# Altium PCB IMX6 DEV BOARD.PcbDoc (part 3 of 12) (continued)
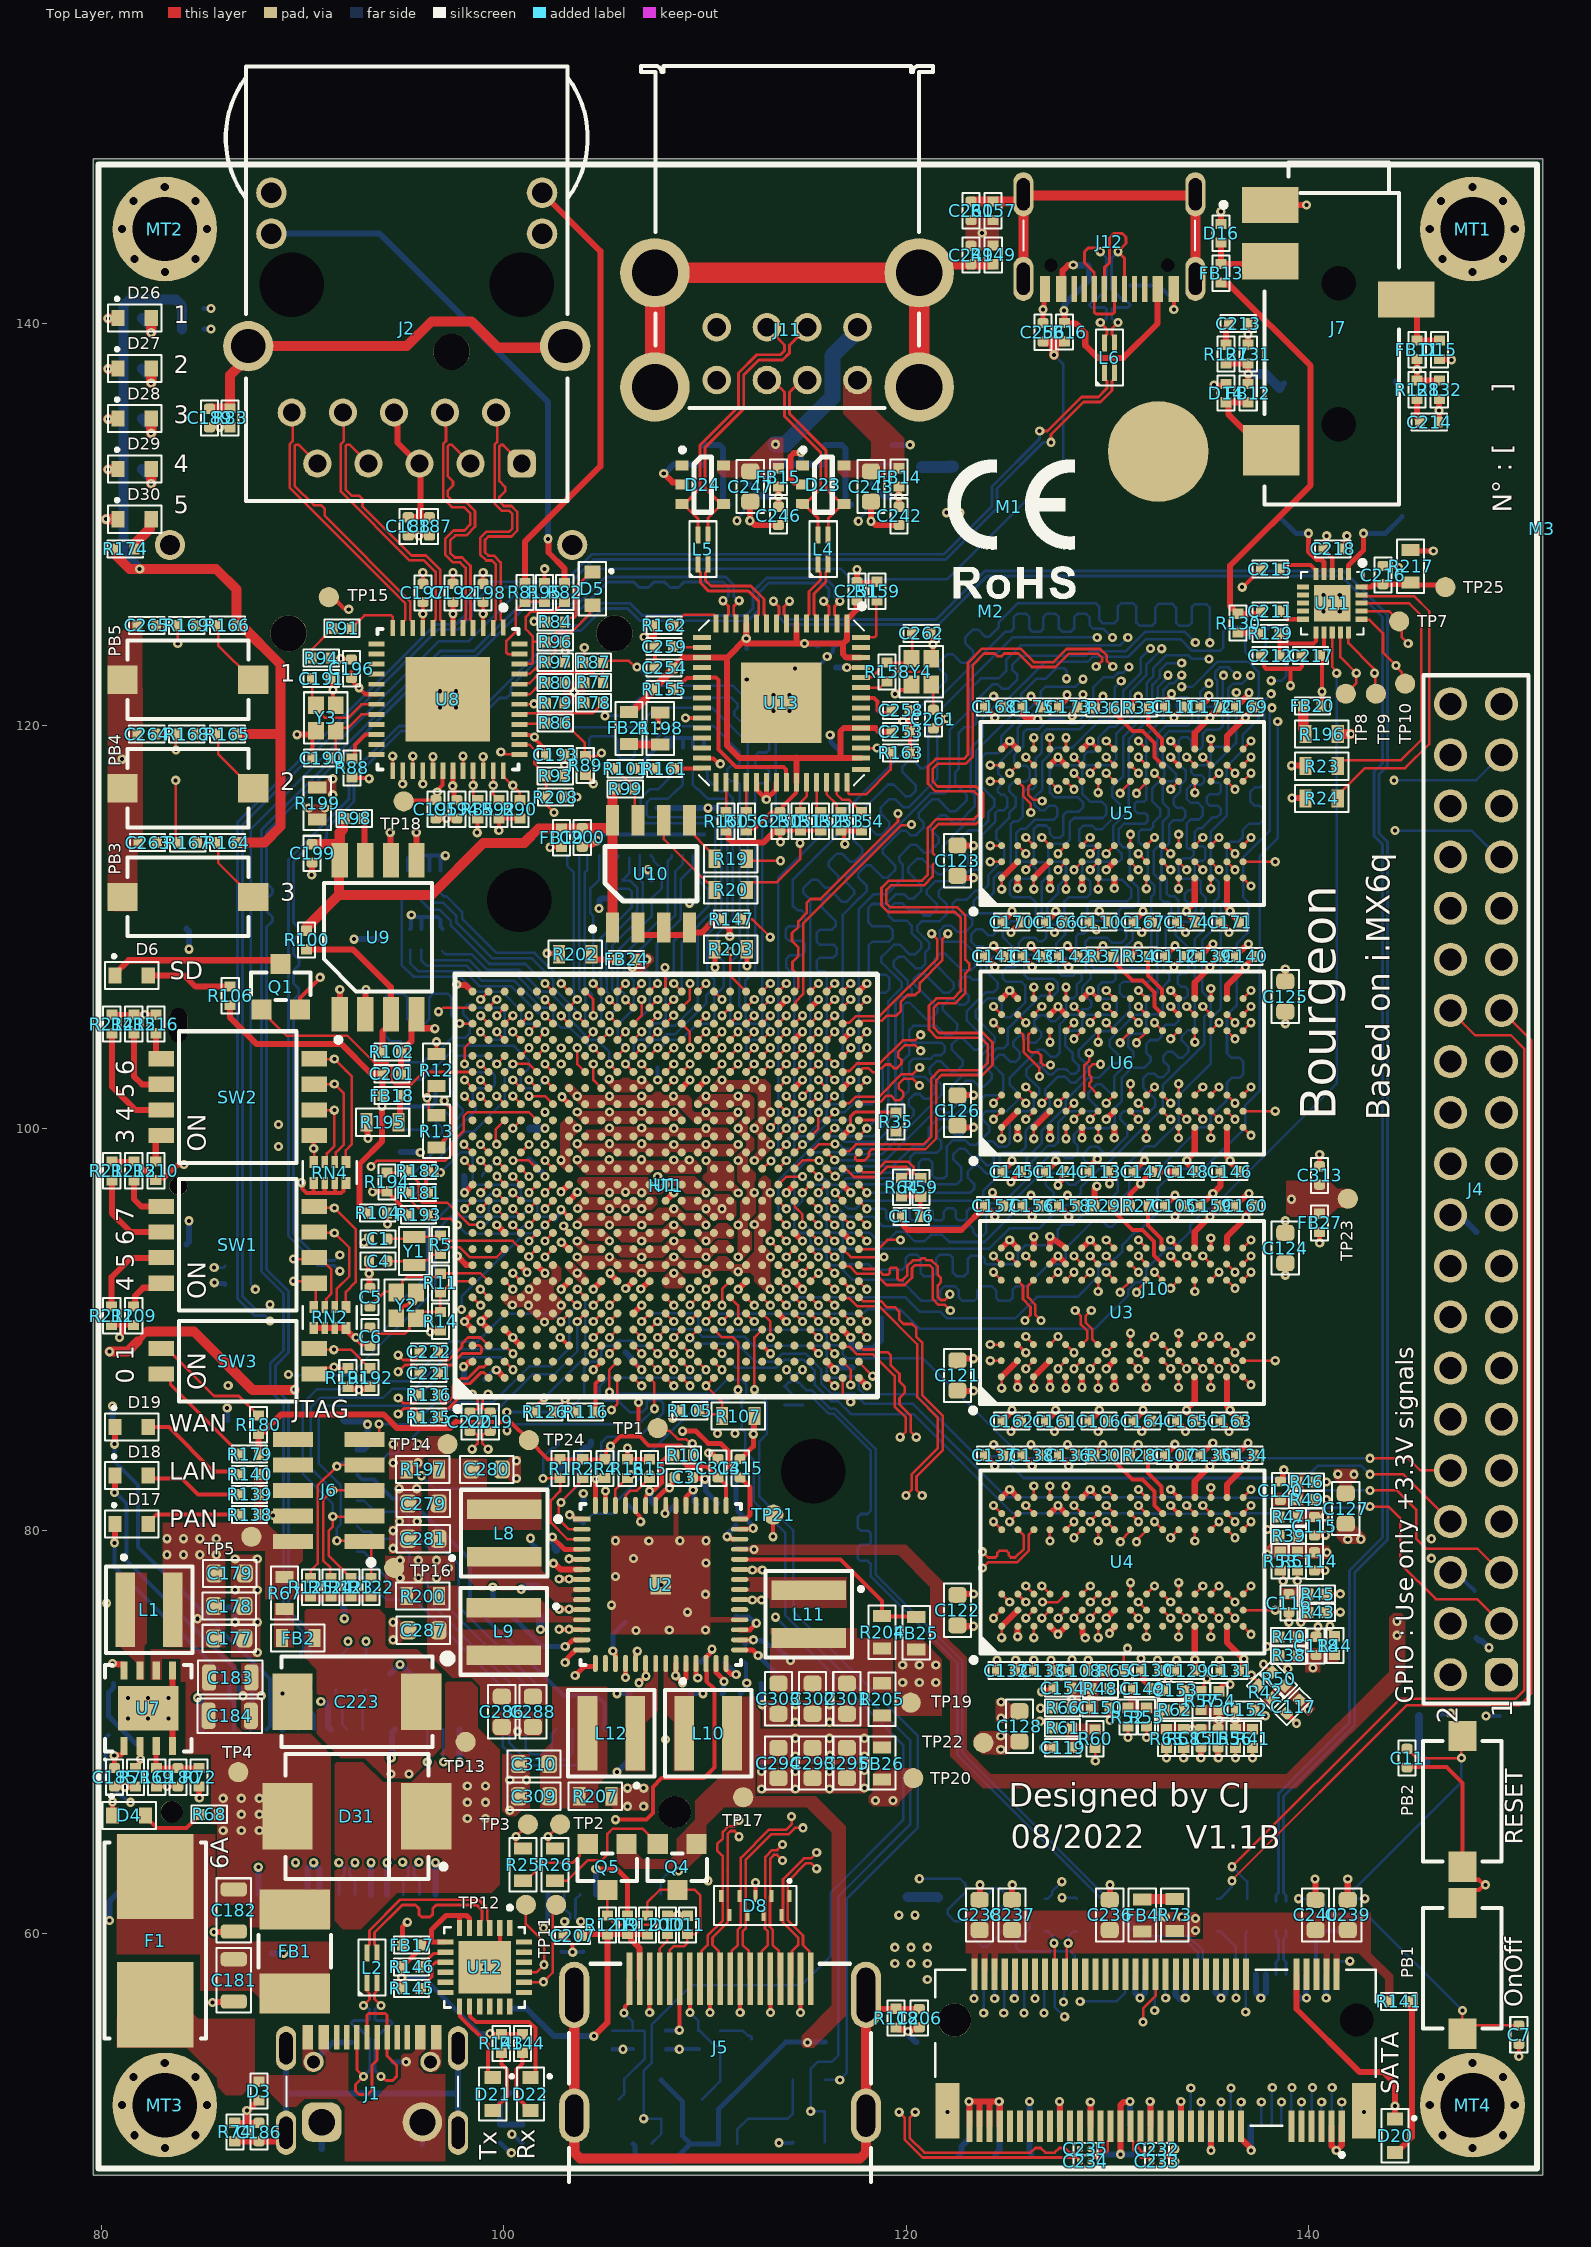
[diagram p0: Top Layer view]
## Nets (pads, with @x,y where several pads share a name; then routed paths per layer and width w, separated by ;. In a path a pad name is that pad's centre, name@x,y a point inside that pad or via, vN(x,y) a via of type N, cw(c..) or ccw(c..) an arc to the next point about the centre after c; other vN are vias at no path point) (continued)
  other v1: 119.825,72.45 120.65,72.45 121.475,72.45 119.825,73.325 120.65,73.325 121.475,73.325 111.65,93.6 111.65,95.2 136.891,95.559 112.45,96.8 111.65,98.4 111.65,100 110.05,101.6 111.65,101.6
+1.5V_PCIe: C229.1 C230.1 C231.1 FB26.2 J8.6 J8.28 J8.48 TP20.1
  other v1: 118.469,66.586 119.344,66.586
+1.8V_AUDIO: C216.2 R217.2 TP25.1 U11.20 | length 4.4
  Top Layer w0.25: U11.20@142.628,126.904 143.104,126.904 143.229,127.029 143.686,127.029 C216.2@143.7,127.043 144.978,127.043 R217.2@145.071,127.136 145.207,127 146.7,127 TP25.1@146.8,126.9
+1.375_VDD_ARM: C12.1 C13.1 C14.1 C15.1 C16.1 C17.1 C18.1 C24.1 C25.1 C26.1 C27.1 C28.1 C29.1 C30.1 C31.1 R197.2 TP14.1 U1.H14 U1.J14 U1.K9 U1.K14 U1.L9 U1.L14 U1.M9 U1.M14 U1.N9 U1.N14 U1.P9 U1.P14 U1.R9 U1.R14 U1.T9 U1.U9 U2.6 | length 1.5
  Top Layer w0.3: v1(102.462,78.379) 102.505,78.379 102.809,78.075 U2.6@103.874,78.075
  other v1: 94.5,83.373 95.729,83.373 94.5,84.3 95.729,84.3 106.85,93.6 110.05,93.6 108.45,94.4 108.45,98.426 109.222,98.423 103.65,98.444 105.241,98.444 106.849,98.444
+1.375_VDD_SOC_IN: C37.1 C38.1 C39.1 C40.1 C41.1 C42.1 C43.1 C44.1 C51.1 C52.1 C53.1 R200.2 TP16.1 U1.H16 U1.J16 U1.K16 U1.L16 U1.M16 U1.N16 U1.P16 U1.R16 U1.T16 U1.U16 U2.13 | length 9.4
  Top Layer w0.25: v1(103.05,74.25) 103.107,74.25 103.428,74.571 103.871,74.571 U2.13@103.874,74.575
  Inner 2 w0.25: v1(97.25,78.15) 98.2,77.2 v1(99.45,77.2)
  Bottom Layer w0.25: v1(99.45,77.2) 99.453,77.197 99.453,76.704 101.907,74.25 v1(103.05,74.25)
  Bottom Layer w0.4: C51.1@101.3,100 v1(102.05,100)
  other v1: 94.85,77.65 95.75,77.65 96.65,77.65 94.85,78.525 95.75,78.525 96.65,78.525 108.45,100 110.05,100 105.254,100.022 106.85,100.022 102.85,103.194
+1.375V_A: C279.1 C280.1 C281.1 L8.2 R197.1
+1.375V_S: C286.1 C287.1 C288.1 L9.2 R200.1
+2.5V_TRANS: C98.1 C99.1 C195.1 C196.1 C197.1 C198.1 R77.2 R78.2 R79.2 R80.2 R85.2 R203.2 R208.2 TP18.1 U1.G18 U1.R19 U8.3 U8.9 U8.18 U8.30 | length 11
  Top Layer w0.2: 92.425,122.686 92.44,122.671 92.44,122.249 93.113,121.576 U8.18@93.674,121.576 ; TP18.1@95.025,116.25 95.06,116.285 96.59,116.285 C195.1@96.625,116.32 96.658,116.354 96.658,116.69 v1(96.692,116.723) 96.692,116.793 96.955,117.057 96.955,117.755 U8.30@96.975,117.775 ; U8.9@95.975,124.876 v1(95.975,125.575) C197.1@95.975,126.155 ; v1(98.677,114.698) 98.692,114.712 98.692,115.387 R85.2@98.706,115.401 ; U8.3@98.975,124.876 v1(98.975,125.575) C198.1@98.975,126.155 ; R208.2@103.026,116.463 103.03,116.467 103.626,116.467 v1(103.63,116.47)
  Top Layer w0.25: v1(110.5,108) R203.2@110.5,108.9
  Top Layer w0.3: v1(102.893,101.565) 102.893,101.558 103.244,101.207 U1.G18@103.244,101.2 ; U1.R19@109.644,102 109.647,102 110.047,102.4 v1(110.05,102.4)
  other v1: 103.5,121.675 92.8,121.9
+2.8V_VDD_HIGH: C79.1 C80.1 D1.A R206.2 TP21.1 U1.H9 U1.J9 | length 1.1
  Top Layer w0.2: v1(113.375,79.7) 113.375,80.775 TP21.1@113.418,80.818
  other v1: 110.619,84.828 111.494,84.828 103.65,94.4
+3.0V_VSNVS: C100.1 C314.1 D1.K R1.2 R2.2 R4.2 R179.2 R180.2 R181.2 R182.2 TP24.1 U1.G11 U2.43 | length 43.6
  Top Layer w0.2: R181.2@96.125,96.8 96.125,97.9 96.175,97.85 96.8,97.85 v1(96.85,97.8) ; 97.635,85.415 100.335,85.415 TP24.1@101.25,84.5 102.2,83.55 R1.2@102.8,83.55 R4.2@105.033,83.55 105.087,83.603 105.087,83.987 v1(105.3,84.2) 105.795,84.695 106.69,84.695 ; v1(102.839,95.953) 102.865,95.953 103.218,95.6 U1.G11@103.244,95.6 ; v1(106.69,86.371) 106.69,84.695 ; U2.43@111.05,81.251 111.05,82.27 110.67,82.65 C314.1@110.65,82.65 110.629,82.65 110.085,83.194 109.11,83.194 108.946,83.358 108.946,84.091 108.794,84.242 107.202,84.242 106.75,84.695 106.69,84.695
  Top Layer w0.3: R179.2@87.813,83.862 87.813,84.787 R180.2@87.8,84.8 87.904,84.904 88.052,84.904 88.928,85.78 94.02,85.78 94.7,85.1 97.321,85.1 97.635,85.415
  Bottom Layer w0.125: v1(96.85,97.8) 97.861,98.811 98.194,98.811 98.448,98.557 98.448,97.352 98.607,97.193 100.613,97.193 100.85,96.955 100.85,96.645 101.087,96.407 101.414,96.407 101.65,96.171 101.65,95.798 101.848,95.6 102.388,95.6 102.538,95.45 C100.1@102.542,95.45
  Bottom Layer w0.2: C100.1@102.542,95.45 C100.1@102.545,95.45 102.595,95.5 102.595,95.568 102.789,95.762 102.789,95.904 v1(102.839,95.953) ; v1(105.3,84.2) 105.3,84.13 105.446,83.984 D1.K@105.446,82.975
+3.3V: C276.1 C289.1 C293.1 C294.1 C295.1 D7.A FB17.1 FB19.1 FB22.1 FB23.1 L10.2 Q2.G Q3.G Q4.G Q5.G R3.2 R15.2 R16.2 R105.2 R111.2 R112.2 R183.2 R184.2 R185.2 R186.2 R187.2 R188.2 R189.2 R190.2 R195.2 R196.1 R198.2 R202.1 R209.2 R210.2 R211.2 R212.2 R213.2 R214.2 R215.2 R216.2 TP17.1 U2.17 U2.25 U2.27 | length 54.5
  Top Layer w0.25: R211.2@80.507,90.225 80.657,90.225 81,90.225 ; R212.2@80.516,98.349 R213.2@81.612,98.349 81.741,98.22 81.825,98.22 82.49,97.554 82.571,97.554 R210.2@82.7,97.425 82.817,97.542 83.142,97.542 83.772,98.172 84.072,98.172 v1(84.1,98.2) ; R214.2@80.516,105.646 R215.2@81.612,105.646 81.619,105.653 82.142,105.653 v1(82.149,105.66) ; v1(80.9,89.6) 80.9,89.657 81,89.757 81,90.225 ; R209.2@81.603,90.225 81,90.225 ; v1@82.163,105.646 82.17,105.653 82.693,105.653 R216.2@82.7,105.646 ; FB17.1@94.955,59.4 94.955,60.305 v1@95.25,60.6 ; v1(102.15,108.7) 102.7,108.7 R202.1@102.75,108.65 ; v1(102.294,113.967) 102.304,113.976 102.866,113.976 FB19.1@102.875,113.986 ; v1(105.419,74.019) 105.419,73.963 105.546,73.836 105.546,73.403 U2.17@105.55,73.399 ; v1(106.15,84.1) 106.146,84.096 106.146,83.554 106.15,83.55 R15.2@107.25,83.55 ; v1(107.675,120.025) 107.675,120.575 R198.2@107.775,120.675 ; v1(108.399,85.594) 108.436,85.594 108.787,85.946 R105.2@108.787,85.967 ; U2.25@109.55,73.399 109.554,73.396 109.554,72.82 109.64,72.734 v1(109.64,72.677) ; U2.27@110.55,73.399 110.554,73.396 110.554,72.953 110.95,72.557 v1(110.95,72.5)
  Top Layer w0.3: R195.2@93.175,100.3 93.219,100.256 93.219,99.531 v1(93.25,99.5)
  Top Layer w0.5: R196.1@141.45,119.6 v1(142.1,119.6)
  Inner 5 w0.5: v1(84.1,98.2) 84.105,98.195 88.84,98.195 90.277,99.632 93.118,99.632 v1(93.25,99.5)
  Bottom Layer w0.25: FB22.1@85.099,139.734 v1(85.442,139.734) ; v1(105.419,74.019) 105.419,74.833 106.029,75.443 C276.1@106.05,75.443 ; R112.2@106.425,49.525 106.517,49.433 106.517,49.058 106.925,48.65 108.4,48.65 109.275,49.525 ; Q3.G@107.825,52.686 108.875,51.636 108.875,49.925 109.275,49.525 ; C289.1@110.843,71.875 110.91,71.942 110.91,72.46 v1(110.95,72.5) ; D7.A@116,54.575 114.014,54.575 Q2.G@112.125,52.686 110.675,51.236 R111.2@110.675,49.525 109.275,49.525 ; FB23.1@146.407,70.8 146.488,70.881 147.023,70.881 v1(147.063,70.921)
  Bottom Layer w0.3: R3.2@103.95,81.3 v1(103.95,81.85) ; v1(104.731,110.931) 104.761,110.962 104.761,111.336 R186.2@104.85,111.425 R184.2@105.9,111.425 ; v1(107.162,112.854) 107.193,112.823 107.193,112.532 107.225,112.5 107.225,112.479 107.329,112.375 R190.2@107.35,112.375 ; R183.2@107.65,115.925 R188.2@108.65,115.925 R185.2@109.65,115.925 R189.2@110.65,115.925 ; v1(109.233,111.194) 109.263,111.224 109.428,111.224 109.629,111.425 R187.2@109.65,111.425
  other v1: 115.094,54.567 95.204,60.541 114.492,68.806 117.917,68.806 116.202,68.833 114.492,69.681 116.192,69.681 117.917,69.681 110.147,115.911
+3.3V_3.3V_EN: R71.2 R201.2 TP6.1 U7.2 | length 5.7
  Top Layer w0.25: R71.2@81.724,68.307 81.824,68.307 81.853,68.336 81.853,68.436 81.903,68.486 81.903,68.606 v1(81.944,68.646) 81.934,68.655 81.934,69.286 U7.2@81.925,69.295
  Bottom Layer w0.25: TP6.1@80.6,72.4 80.6,72.197 80.35,71.947 R201.2@80.35,70.775 80.371,70.775 80.5,70.646 80.5,70.625 81.903,69.222 81.903,68.686 v1(81.944,68.646)
+3.3V_AUDIO: C217.2 C218.2 FB20.2 U11.3 U11.12 | length 5.9
  Top Layer w0.2: C217.2@140.557,123.5 C217.2@140.667,123.5 ; FB20.2@140.65,121 140.667,121 140.667,121.707 C217.2@140.667,123.5 ; U11.12@140.778,124.654 140.778,123.756 140.667,123.645 C217.2@140.667,123.5 ; v1(140.9,129.45) 140.9,129.38 140.8,129.28 140.8,128.722 141.178,128.344 U11.3@141.178,127.554
  other v1: 140.669,121.701
+3.3V_CARD: C177.1 C178.1 C179.1 C180.1 J6.2 L1.2 R67.1 R69.2 R70.1 R73.1 R122.2 R123.2 R124.2 R125.2 R138.1 R139.1 R140.1 TP5.1 | length 9.8
  Top Layer w0.2: R69.2@82.856,67.281 82.857,67.282 83.26,67.282 v1(83.262,67.281) 83.266,67.285 83.685,67.285 C180.1@83.689,67.281
  Inner 2 w0.2: v1(83.262,67.281) 83.25,67.293 83.25,68.7 84.05,69.5 84.05,74.896 v1(84.777,75.623)
  other v1: 134.375,60.125 134.375,60.725 132.891,60.805 133.699,60.805 119.636,60.89 120.444,60.89 83.261,78.805 84.076,78.805 84.892,78.805 85.707,78.805 83.261,79.605 84.076,79.605 84.892,79.605 85.707,79.605
+3.3V_CdE: C272.1 FB3.2 J10.39A J10.41A
+3.3V_DEBUG: FB17.2 R143.2 R144.2 R145.2 R146.2 U12.5 U12.6 U12.7 | length 15
  Top Layer w0.2: v1(99.325,55) 99.338,54.988 99.862,54.988 R143.2@99.875,54.975 R144.2@100.925,54.975
  Top Layer w0.25: R145.2@94.95,57.25 94.925,57.275 94.925,57.813 94.925,58.3 95.966,59.341 95.966,59.518 95.998,59.55 96.4,59.55 ; U12.7@97.1,59.55 96.4,59.55 ; U12.6@97.8,60.25 97.802,60.252 97.802,60.875 ; U12.5@98.3,60.25 98.295,60.255 98.295,60.729 98.149,60.875 97.802,60.875 ; 96.4,59.55 96.4,60.149 97.126,60.875 97.802,60.875
  Bottom Layer w0.25: v1(94.925,57.8) 96,57.8 98.8,55 v1(99.325,55)
+3.3V_FB: C180.2 R69.1 R72.2 U7.3 | length 3.2
  Top Layer w0.25: U7.3@82.725,69.295 82.716,69.286 82.716,68.338 82.754,68.3 R69.1@82.775,68.3 ; R69.1@82.743,68.209 82.752,68.2 83.794,68.2 C180.2@83.797,68.203 83.799,68.2 84.843,68.2 R72.2@84.85,68.207
+3.3V_flash_EEPROM: C199.1 C200.1 FB19.2 R98.2 R99.2 R100.2 U9.8 U10.1 U10.8 | length 30.1
  Top Layer w0.5: R100.2@90.2,109.825 90.221,109.825 90.225,109.829 90.225,110.025 91.8,111.6 91.8,113.28 U9.8@91.845,113.325 ; C199.1@90.475,114.125 91.595,114.125 U9.8@91.845,113.875 ; 91.825,111.6 96.4,111.6 98.993,114.193 101.018,114.193 101.725,114.9 FB19.2@102.875,114.9 102.882,114.907 103.893,114.907 C200.1@103.9,114.914 105.279,114.914 105.41,115.045 U10.8@105.41,115.366 ; U9.8@91.845,113.45 U9.8@91.845,113.875 ; R98.2@92.1,115.4 91.996,115.296 91.996,114.846 91.845,114.695 U9.8@91.845,113.875 ; U10.1@105.41,109.9 U10.8@105.41,115.366 ; R99.2@105.575,116.875 105.421,116.721 105.421,116.594 105.41,116.583 U10.8@105.41,115.366
+3.3V_GPIO: F2.2 FB23.2 | length 2.4
  Bottom Layer w0.4: FB23.2@145.493,70.8 145.493,68.857 F2.2@145.85,68.5
+3.3V_IMX6_IO: C81.1 C82.1 C83.1 C84.1 C85.1 C93.1 C94.1 C95.1 C96.1 C97.1 FB24.2 U1.G14 U1.G15 U1.G16 U1.G17 U1.J7 U1.K19 U1.L19 U1.M19 U1.N7 U1.P7 U1.P19 | length 1.1
  Top Layer w0.3: v1(104.45,92) 104.45,92.003 104.844,92.397 U1.J7@104.844,92.4 ; U1.P19@108.844,102 108.847,102 109.247,102.4 v1(109.25,102.4)
  other v1: 108.45,92.8 102.843,98.419 103.65,100.022 106.85,102.4 105.24,102.441 106.386,107.992 107.102,108.398
+3.3V_LED: C266.1 FB22.2 R164.2 R165.2 R166.2 R170.2 R171.2 R172.2 R173.2 R174.2 | length 42
  Top Layer w0.5: R174.2@80.725,128.8 80.729,128.796 80.729,128.471 81.4,127.8 v1(81.9,127.8) 85.7,127.8 86.721,126.779 86.721,125.004 R166.2@86.725,125 ; R164.2@86.725,114.2 88.1,114.2 88.9,115 88.9,119.6 ; R165.2@86.725,119.6 88.9,119.6 ; R166.2@86.977,124.975 88.9,123.052 88.9,119.6
  Bottom Layer w0.5: v1(81.9,127.8) 81.1,128.6 R173.2@81.1,132.775 R172.2@81.1,135.275 R171.2@81.1,137.775 R170.2@81.1,140.275 81.1,140.907 81.393,141.2 83.696,141.2 83.989,140.907 83.989,140.758 83.997,140.75 83.997,140.645 84,140.642 84,139.753 83.997,139.75 FB22.2@83.997,139.7
+3.3V_M2_SATA: C236.1 C237.1 C238.1 C239.1 C240.1 FB4.2 J10.2 J10.4 J10.70 J10.72 J10.74 R141.2
+3.3V_PCIe: C223.1 C225.1 C226.1 C227.1 C228.1 FB2.2 J8.2 J8.24 J8.39 J8.41 J8.52
  other v1: 94.389,67.91 95.289,67.91
+3.3V_SD: C201.1 FB18.2 J3.4 R103.2 R104.2 R106.2 | length 19.7
  Top Layer w0.2: FB18.2@93.893,101.7 93.968,101.625 93.959,101.616 93.959,101.109 v1(93.95,101.1)
  Top Layer w0.3: R106.2@86.4,106.125 86.4,106.021 86.4,105.5 87.7,104.2 91.918,104.2 93.399,102.719 93.977,102.719 FB18.2@93.977,101.689 ; R104.2@93.275,95.721 92.825,96.171 92.825,98.225 93.95,99.35 v1(93.95,101.1)
  Bottom Layer w0.2: J3.4@94.875,101.025 94.937,101.088 96.408,101.088 96.614,101.294 96.614,102.111 R103.2@96.6,102.125
+3.3V_to_PMIC: C2.1 U2.55 | length 1.4
  Top Layer w0.25: U2.55@105.05,81.251 105.054,81.254 105.054,81.967 v1(105.058,81.971)
  Bottom Layer w0.25: C2.1@105.05,81.307 105.054,81.311 105.054,81.967 v1(105.058,81.971)
+3.3V_USB_HUB: C250.1 C251.1 C252.1 C253.1 C254.1 C255.1 FB21.2 R155.2 R156.2 U13.1 U13.6 U13.11 U13.17 U13.37 U13.44 U13.47 U13.54 | length 40
  Top Layer w0.2: R156.2@112.05,114.801 112.162,114.913 112.491,114.913 113.272,115.694 113.699,115.694 C250.1@113.725,115.72 113.731,115.72 113.883,115.872 113.883,116.033 114.525,116.675 114.525,117.175 U13.37@114.55,117.2
  Top Layer w0.3: C254.1@108.42,122.882 108.42,122.903 108.918,123.4 U13.17@109.85,123.4 111.1,123.4 ; U13.11@112.05,125.1 v1(112.05,124.35) ; U13.37@114.55,117.2 114.55,118.4 ; 114.55,118.424 114.55,118.4 ; U13.6@114.55,125.1 114.55,124.1 ; C251.1@117.5,126.3 117.531,126.268 117.531,125.77 117.161,125.4 117.075,125.4 117.05,125.375 U13.1@117.05,125.1 117.05,124.276 116.874,124.1 ; U13.44@117.75,118.4 116.725,118.4 ; U13.54@117.75,123.4 117.026,123.4 116.85,123.576 116.85,124.076 116.874,124.1 ; C253.1@119.23,119.585 119.23,119.606 119.126,119.71 118.665,119.71 118.475,119.9 U13.47@117.75,119.9 116.901,119.9 116.725,119.724 116.725,118.4 ; 111.1,123.4 v1(112.05,124.35) ; 111.1,123.4 111.1,119.025 111.725,118.4 114.55,118.4 ; v1(112.05,124.35) 112.05,124.1 114.55,124.1 ; 114.55,118.4 116.725,118.4 ; 114.55,124.1 v1(114.95,124.1) 116.874,124.1
  Top Layer w0.4: FB21.2@106.225,120.7 106.375,120.7 107.425,121.75 107.447,121.75 107.501,121.804 R155.2@107.501,121.825 107.555,121.879 107.555,121.968 108.366,122.779 108.366,122.828 C254.1@108.42,122.882
  Bottom Layer w0.2: v1(112.05,124.35) 112.063,124.337 112.063,123.845 C255.1@112.075,123.832
  Bottom Layer w0.3: v1(114.95,124.1) 114.981,124.069 115.523,124.069 C252.1@115.593,124
+4.4V: C3.1 C273.1 C274.1 C277.1 C278.1 C282.1 C284.1 C285.1 C291.1 C292.1 C297.1 C298.1 C299.1 C305.1 C308.1 D31.K TP13.1 U2.7 U2.10 U2.12 U2.20 U2.23 U2.24 U2.34 U2.37 U2.40 U2.50 | length 12.4
  Top Layer w0.25: v1(102.75,75.1) v1(103.25,75.1) 103.271,75.079 103.871,75.079 U2.12@103.874,75.075 ; v1(102.75,76.1) v1(103.25,76.1) 103.271,76.079 103.871,76.079 U2.10@103.874,76.075 ; v1(102.75,77.595) v1(103.25,77.595) ; v1@103.25,77.6 103.271,77.579 103.871,77.579 U2.7@103.874,77.575 ; v1(106.724,72.44) 106.733,72.44 107.061,72.768 v1(107.07,72.768) 107.054,72.784 107.054,73.396 U2.20@107.05,73.399 ; U2.50@107.554,81.556 108.026,82.028 108.077,82.028 108.182,82.133 v1(108.239,82.133) ; v1@108.225,82.162 108.225,82.176 108.365,82.316 108.365,82.522 C3.1@108.493,82.65 ; U2.23@108.55,73.399 108.546,73.396 108.546,72.796 v1(108.542,72.791) 108.542,72.774 v1(108.876,72.44) 108.876,72.497 109.046,72.666 109.046,73.396 U2.24@109.05,73.399 ; v1(111.101,79.703) 111.158,79.703 111.282,79.579 U2.40@111.42,79.579 ; U2.34@111.726,76.575 112.725,76.575 v1@112.75,76.55 ; U2.37@111.726,78.075 111.729,78.071 112.329,78.071 v1(112.35,78.05) v1(112.85,78.05)
  Bottom Layer w0.25: v1(111.101,79.703) 111.142,79.743 111.142,79.86 111.547,80.266 C298.1@111.547,80.288
  Bottom Layer w0.4: C277.1@101.6,75.9 101.612,75.9 101.812,75.7 101.812,75.101 v1(101.824,75.09)
  other v1: 98.189,65.689 99.089,65.689 98.189,66.5 99.089,66.5 98.189,67.31 99.089,67.31 112.35,76.55 112.81,76.55
+5V: C182.1 C183.1 C184.1 C185.1 D31.A FB1.2 FB6.1 FB8.1 FB9.1 FB10.1 R68.2 R75.1 R76.1 TP4.1 U7.1 U7.6 | length 3.6
  Top Layer w0.25: C185.1@80.65,68.307 80.643,68.314 80.643,68.808 v1(80.637,68.815) 80.677,68.855 80.96,68.855 81.125,69.02 U7.1@81.125,69.295
  Bottom Layer w0.25: v1(85.609,92.326) 85.65,92.286 86.107,92.286 FB10.1@86.15,92.243 ; FB6.1@99.8,49.575 99.821,49.575 100.321,49.075 v1(100.375,49.075) ; v1(116.225,119.55) 116.265,119.51 116.265,119.191 116.611,118.846 FB9.1@116.611,118.825
  other v1: 121.053,57.69 119.436,58.49 120.244,58.49 121.053,58.49 119.436,59.29 120.244,59.29 121.053,59.29 86.05,65.1 86.95,65.1 87.85,65.1 86.95,65.9 87.85,65.9 86.05,66.7 86.95,66.7 87.85,66.7 146.1,78.625 146.1,79.6 122,130.6 122.675,130.6
+5V_CdE: C267.1 C268.1 C269.1 C270.1 C271.1 FB7.2 J10.3A J10.5A J10.9A J10.11A J10.15A J10.17A J10.21A J10.23A J10.35A
+5V_GPIO: F3.2 FB8.2
+5V_HDMI: C208.1 F4.1 FB6.2 | length 2.9
  Bottom Layer w0.3: F4.1@100.275,52.05 99.8,51.575 FB6.2@99.8,50.489 C208.1@100.925,50.489
+5V_HDMI_FUSE: C207.1 D9.1 F4.2 J5.18 R120.2 R121.2 | length 15.9
  Top Layer w0.3: C207.1@103.875,59.875 103.945,59.945 R121.2@105.15,59.945 ; v1(104.475,54.875) 105.15,55.55 R121.2@105.15,59.945 ; J5.18@106.75,57.725 106.75,59.25 106.322,59.678 106.322,59.796 D9.1@106.173,59.945 ; R120.2@107.125,59.95 106.375,59.95 106.37,59.945 D9.1@106.173,59.945 ; R121.2@105.15,59.945 D9.1@106.173,59.945
  Bottom Layer w0.3: F4.2@100.275,56.25 101.125,56.25 102.5,54.875 v1(104.475,54.875)
+5V_USB_HOST: C241.1 C245.1 FB5.2 U14.1 U15.1
+5V_USB_VBUS: FB9.2 U13.45 | length 1.9
  Top Layer w0.125: U13.45@117.75,118.9 v1(118.55,118.9)
  Bottom Layer w0.125: FB9.2@117.525,118.825 117.6,118.9 v1(118.55,118.9)
+5V_USB_VBUS_IMX6: FB10.2 U1.D10 | length 17
  Top Layer w0.125: v1(100.45,95.2) 100.45,95.197 100.844,94.803 U1.D10@100.844,94.8
  Inner 5 w0.125: v1(85.606,93.078) 85.669,93.078 85.847,92.9 90.35,92.9 92.25,94.8 100.05,94.8 v1(100.45,95.2)
  Bottom Layer w0.125: v1(85.606,93.078) 86.071,93.078 FB10.2@86.15,93.157
AUD_CLK: U1.T5 U11.13 | length 60.7
  Top Layer w0.125: v1(110.05,90.4) 110.05,90.403 110.444,90.797 U1.T5@110.444,90.8 ; U11.13@141.178,124.654 141.178,122.934 141.4,122.712 v1(141.4,122.621)
  Bottom Layer w0.125: v1(110.05,90.4) 110.443,90.793 117.85,90.793 118.057,91 119.711,91 120.669,90.043 128.234,90.043 129.384,90.043 131.044,91.702 131.044,91.998 131.389,92.343 131.592,92.343 131.936,92.687 131.936,93 132.979,94.043 133.297,94.043 134.119,94.864 134.119,95.179 134.94,96.001 135.175,96.001 141.4,102.226 v1(141.4,122.621)
AUDIO_I2C_SCL: R24.2 U11.19 | length 16.2
  Top Layer w0.125: R24.2@141.45,116.4 141.45,116.55 141.687,116.788 141.692,116.788 142.805,117.9 144.8,117.9 146,119.1 146,125.7 145.242,126.458 142.542,126.458 U11.19@142.5,126.5
AUDIO_I2C_SDA: R23.2 U11.18 | length 14.1
  Top Layer w0.125: R23.2@141.45,118 141.45,118.063 141.687,118.3 144.603,118.3 145.6,119.297 145.6,125.5 145,126.1 142.631,126.1 U11.18@142.628,126.104
"AUDMUX4_ RxD": TP10.1 U1.W24 U11.16 | length 64.9
  Top Layer w0.125: U1.W24@112.844,106 v1(113.244,106.4) ; U11.16@142.628,125.304 142.663,125.268 143.032,125.268 143.7,124.6 143.7,123.65 v1(144.35,123) 144.35,122.95 144.639,122.661 144.639,122.261 TP10.1@144.8,122.1
  Inner 2 w0.11: v1(113.244,106.4) 113.149,106.4 113.009,106.54 112.971,106.54 112.589,106.922 112.589,107.477 112.859,107.747 112.859,108.534 116.29,111.965 116.29,115.54 120.242,119.492 121.693,119.492 122.089,119.887 122.508,119.887 123.035,119.359 123.273,119.359 123.763,119.849 123.763,120.063 123.365,120.461 123.365,120.662 123.795,121.092 124.017,121.092 124.315,120.794 124.597,120.794 125.036,121.232 125.036,121.476 124.671,121.841 124.671,122.043 125.079,122.452 125.28,122.452 125.466,122.266 125.661,122.266 126.131,122.736 126.131,122.97 125.673,123.428 125.673,124.623 128.024,126.974 134.026,126.974 137.204,123.796 138.512,123.796 140.102,122.206 140.102,121.301 140.242,121.161 140.66,121.161 140.8,121.021 140.8,120.638 140.662,120.5 140.228,120.5 140.102,120.374 140.102,119.983 140.235,119.85 140.662,119.85 140.8,119.712 140.8,119.362 140.662,119.224 140.246,119.224 140.117,119.095 140.117,118.726 140.263,118.581 143.494,118.581 143.636,118.723 143.636,121.706 144.35,122.42 v1(144.35,123)
"AUDMUX4_ TXC": TP9.1 U1.U22 U11.15 | length 65.2
  Top Layer w0.125: U1.U22@111.244,104.4 v1(111.644,104.8) ; U11.15@141.978,124.654 141.978,124.122 143.212,122.888 143.212,122.685 v1(143.276,122.621) 143.313,122.584 143.313,121.637 TP9.1@143.35,121.6
  Inner 2 w0.11: v1(111.644,104.8) 111.709,104.865 111.917,104.865 112.252,105.2 112.588,105.2 112.829,105.441 112.829,105.759 112.588,106 112.229,106 112.05,106.179 112.05,107.154 111.706,107.499 111.706,108.255 112.25,108.8 112.25,109.691 115.546,112.987 115.546,116.596 119.65,120.7 120.418,120.7 127.617,127.9 135.129,127.9 135.281,127.748 135.281,127.152 135.433,127 135.841,127 135.983,127.142 135.983,127.759 136.125,127.9 136.9,127.9 137.371,127.429 137.371,126.805 136.638,126.072 136.638,125.841 136.893,125.586 137.146,125.586 138.176,126.616 138.407,126.616 138.714,126.308 138.714,126.084 137.655,125.024 137.655,124.845 138.033,124.467 138.239,124.467 139.272,125.501 139.479,125.501 139.829,125.151 139.829,124.938 139.288,124.398 139.288,124.212 139.609,123.891 139.827,123.891 140.415,124.478 140.654,124.478 140.98,124.152 140.98,123.932 140.375,123.327 140.375,123.125 140.729,122.771 140.937,122.771 141.906,123.74 142.153,123.74 143.272,122.621 v1(143.276,122.621)
"AUDMUX4_ TxD": TP7.1 U1.T20 U11.17 | length 63.1
  Top Layer w0.125: U1.T20@110.444,102.8 v1(110.844,103.2) ; U11.17@142.628,125.704 143.996,125.704 TP7.1@144.5,125.2 144.628,125.072 144.628,124.422 v1(144.95,124.1)
  Inner 2 w0.11: v1(110.844,103.2) 111.25,103.606 111.794,103.606 112.029,103.841 112.029,104.159 111.803,104.385 111.514,104.385 111.25,104.649 111.25,105.006 111.459,105.215 111.803,105.215 112.029,105.441 112.029,105.832 111.785,106.076 111.785,107.052 111.446,107.391 111.446,108.363 111.95,108.867 111.95,109.998 115.111,113.159 115.111,114.7 114.8,115.011 114.8,115.411 115.111,115.722 115.111,116.861 119.418,121.168 120.179,121.168 120.805,121.795 120.805,122.264 121.059,122.518 121.529,122.518 127.911,128.9 128.684,128.9 128.814,128.769 128.814,128.315 128.929,128.2 129.632,128.2 129.748,128.316 129.748,128.757 129.891,128.9 130.555,128.9 130.689,128.766 130.689,128.299 130.828,128.16 131.396,128.16 131.535,128.298 131.535,128.765 131.669,128.9 132.346,128.9 132.462,128.784 132.462,128.339 132.601,128.2 133.233,128.2 133.346,128.314 133.346,128.769 133.477,128.9 134.119,128.9 134.246,128.773 134.246,128.336 134.382,128.2 134.979,128.2 135.095,128.315 135.095,128.752 135.243,128.9 136.883,128.9 141.683,124.1 143.288,124.1 143.668,123.72 144.05,123.72 144.43,124.1 v1@144.724,124.1